# Altium PCB Mirny.PcbDoc (part 1 of 8) (continued)
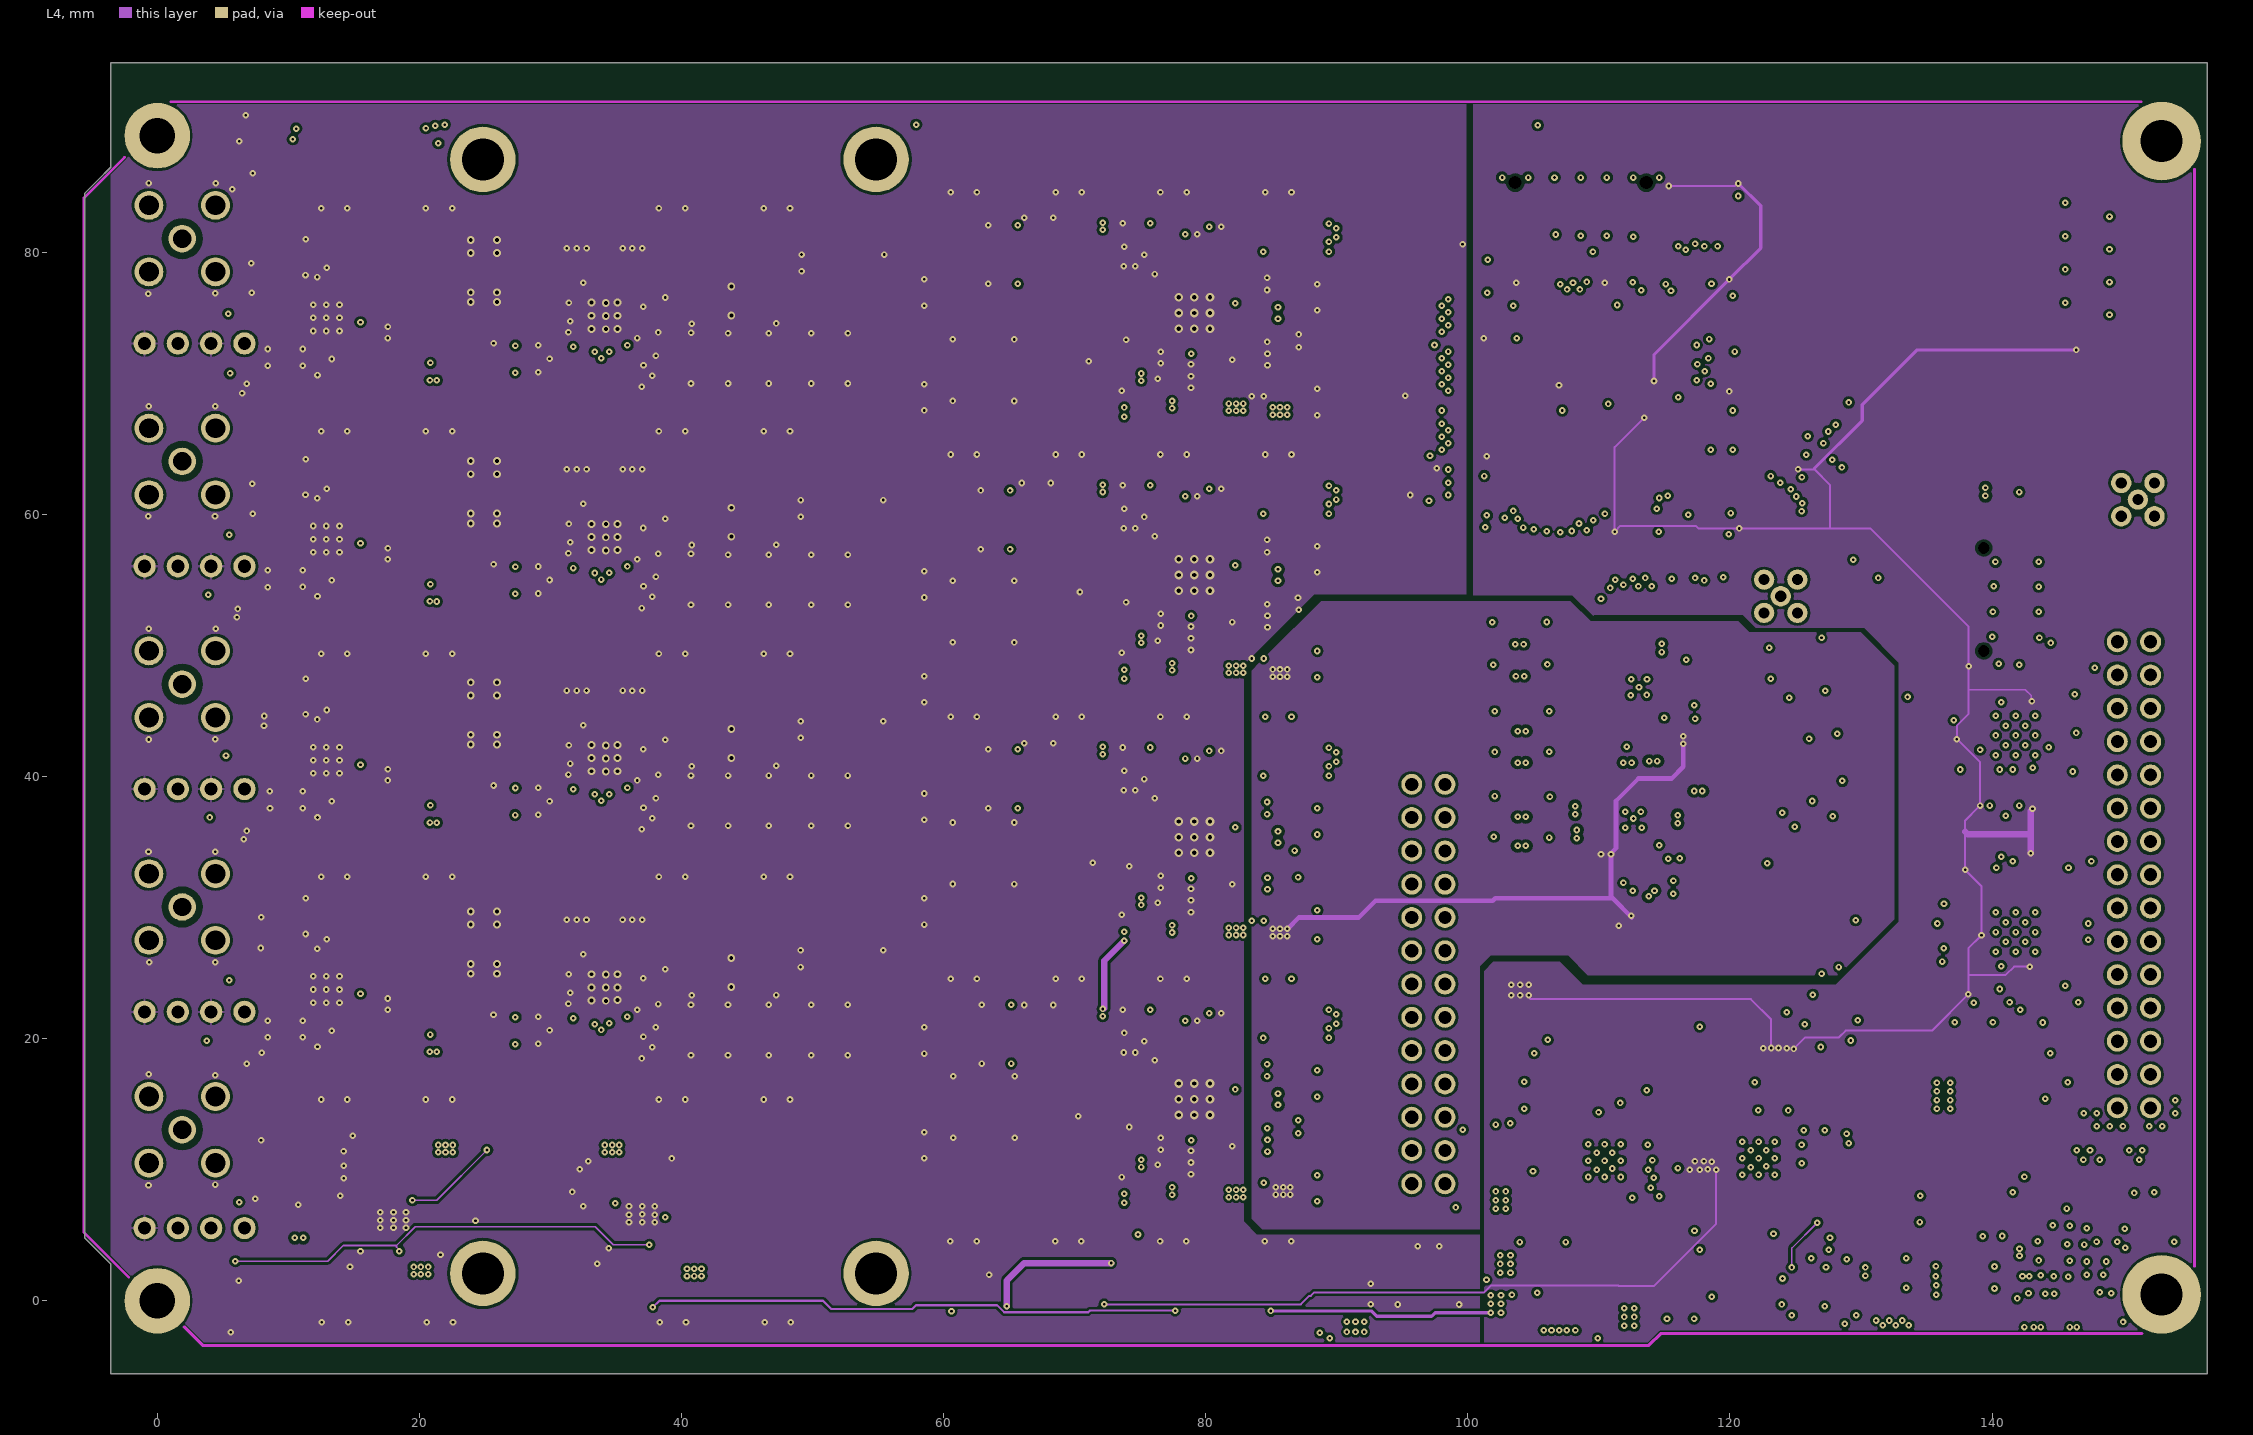
[diagram p4: L4]
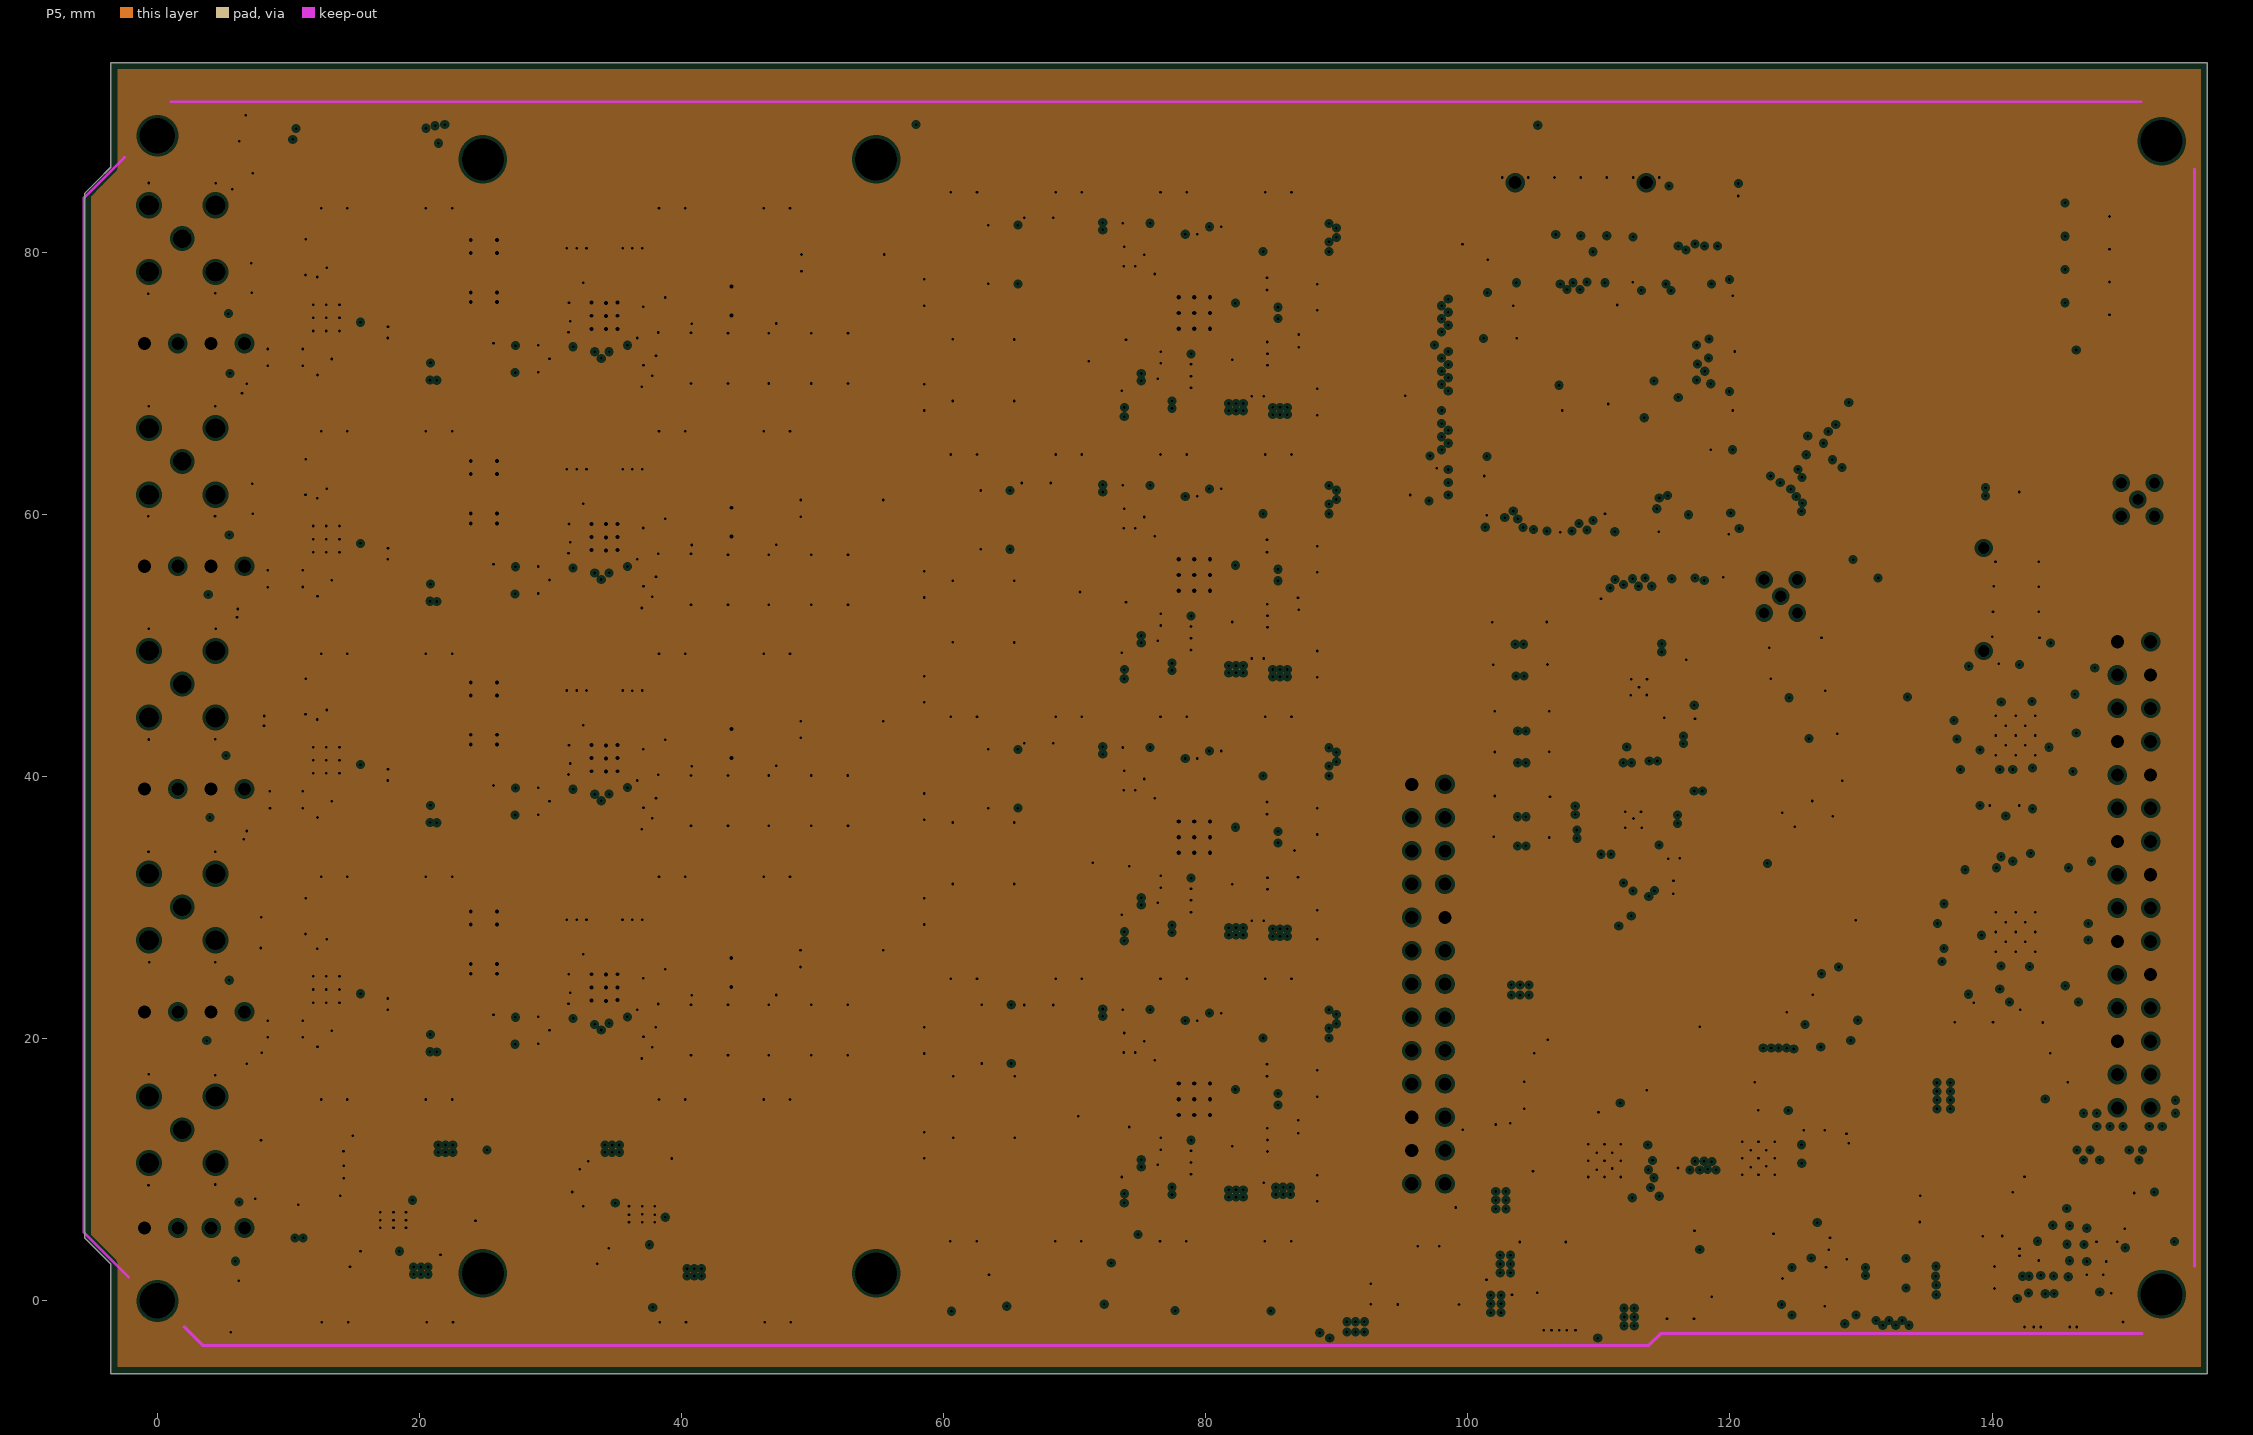
[diagram p5: P5, clearances drawn from the general rule]

## Layer stack, top to bottom
Top Solder: solder mask 0.034, Solder Resist, Dk 3.5
L1: signal copper 0.05
Dielectric1: prepreg 0.18, PP-021, Dk 4.7
P2: plane copper 0.035, net GND
Dielectric 2: core 0.18, Core-021, Dk 4.1
L3: signal copper 0.035
Dielectric 4: prepreg 0.6, FR4, Dk 4.1
L4: signal copper 0.035
Dielectric 1: core 0.18, Core-021, Dk 4.1
P5: plane copper 0.035, net GND
Dielectric 3: prepreg 0.18, PP-021, Dk 4.7
L6: signal copper 0.05
Bottom Solder: solder mask 0.034, Solder Resist, Dk 3.5

## Board outline
-5.556,4.808 -5.556,77.513 -5.556,84.488 -4.556,85.488 -3.556,86.488 -3.556,94.488 156.439,94.488 156.439,-5.55 -3.556,-5.55 -3.556,2.808

## Design rules (kind name [scope] priority, off if disabled: settings)
AcuteAngle AcuteAngle_GND [InNet('GND')] p1: minimum=5.00000000000000E+0001 checktracksonly=FALSE
AcuteAngle [All] p2: minimum=5.00000000000000E+0001 checktracksonly=FALSE
Clearance Clearance_balance [InNamedPolygon('balancing')            or InNamedPolygon('balancing_top')] p1: gap=0.3 ignorepadtopadclearanceinfootprint=FALSE
Clearance Clearance_1 [InPolygon vs (InDifferentialPairClass('All Differential Pairs'))] p2: gap=0.254 ignorepadtopadclearanceinfootprint=FALSE except(0: Arc-Hole Track-Hole SMDPad-Hole THPad-Hole Via-Hole Fill-Hole Poly-Hole Region-Hole Text-Hole; 0.508: Track-Poly)
Clearance Clearance_KeepOut [OnLayer('Keep-Out Layer') vs NOT ( InComponent('J8') OR InComponent('J11') OR InComponent('J2') OR InComponent('J3') OR InComponent('J4') OR InComponent('J5') OR InComponent('J6') )] p3: gap=0.1 ignorepadtopadclearanceinfootprint=FALSE except(0: Arc-Hole Track-Hole SMDPad-Hole THPad-Hole Via-Hole Fill-Hole Poly-Hole Region-Hole Text-Hole)
Clearance Clearance_50_Ohms_GND_VIA [InNetClass('50_Ohms') vs (IsVia AND InNet('GND')) and not(IsPad)] p4: gap=0.2 ignorepadtopadclearanceinfootprint=FALSE except(0: Arc-Hole Track-Hole SMDPad-Hole THPad-Hole Via-Hole Fill-Hole Poly-Hole Region-Hole Text-Hole)
Clearance Clearance_50_Ohms_GND_Plane [InNetClass('50_Ohms') vs InPolygon] p5: gap=0.5 ignorepadtopadclearanceinfootprint=FALSE except(0: Arc-Hole Track-Hole SMDPad-Hole THPad-Hole Via-Hole Fill-Hole Poly-Hole Region-Hole Text-Hole)
Clearance Clearance_50_Ohms_GND_PADS [InNetClass('50_Ohms') vs InNet('GND')] p6: gap=0.2 ignorepadtopadclearanceinfootprint=FALSE except(0: Arc-Hole Track-Hole SMDPad-Hole THPad-Hole Via-Hole Fill-Hole Poly-Hole Region-Hole Text-Hole)
Clearance Clearance_50_Ohms [InNetClass('50_Ohms')] p7: gap=0.2 ignorepadtopadclearanceinfootprint=FALSE except(0: Arc-Hole Track-Hole SMDPad-Hole THPad-Hole Via-Hole Fill-Hole Poly-Hole Region-Hole Text-Hole)
Clearance Clearance_DiffPair_1 [(InDifferentialPairClass('All Differential Pairs')) vs (InDifferentialPairClass('All Differential Pairs'))] p8 off: gap=0.3 ignorepadtopadclearanceinfootprint=FALSE except(0: Arc-Hole Track-Hole SMDPad-Hole THPad-Hole Via-Hole Fill-Hole Poly-Hole Region-Hole Text-Hole)
Clearance Clearance_Fiducials [InComponentClass('Fiducials')] p9: gap=0 ignorepadtopadclearanceinfootprint=TRUE
Clearance Clearance_SMA [InComponentClass('SMAs') or InComponentClass('FP_LEDs')] p10: gap=0 ignorepadtopadclearanceinfootprint=TRUE
Clearance [Not (OnLayer('Keep-Out Layer'))] p11: gap=0.127 ignorepadtopadclearanceinfootprint=FALSE except(0: Arc-Hole Track-Hole SMDPad-Hole THPad-Hole Via-Hole Fill-Hole Poly-Hole Region-Hole Text-Hole; 0.203: Arc-Poly Track-Poly SMDPad-Poly THPad-Poly Via-Poly Fill-Poly Poly-Poly)
Clearance Clearance_abs [All] p12: gap=0.1 ignorepadtopadclearanceinfootprint=FALSE except(0: Arc-Hole Track-Hole SMDPad-Hole THPad-Hole Via-Hole Fill-Hole Poly-Hole Region-Hole Text-Hole)
ComponentClearance ComponentClearance_Osc [InComponent('OSC1') vs InComponent('OSC2')] p1: gap=0 collisioncheckmode=3 verticalgap=0 showdistances=FALSE
ComponentClearance ComponentClearance_Resistors [InComponent('R157') OR  InComponent('R158') OR InComponent('R151') OR  InComponent('R152') OR InComponent('R150') OR  InComponent('R140') OR InComponent('R145') OR  InComponent('R146') OR InComponent('R148') OR  InComponent('R149') OR  InComponent('R151')  OR  InComponent('R152') OR  InComponent('R161') OR  InComponent('R162') OR  InComponent('R163') OR  InComponent('R164') OR  InComponent('R165') OR  InComponent('R166') OR  InComponent('R167') OR  InComponent('R168') OR  InComponent('R138') OR  InComponent('R117') OR  InComponent('R63') OR  InComponent('R5') OR  InComponent('R160')    OR  InComponent('R159') vs InComponent('R157') OR  InComponent('R158') OR InComponent('R151') OR  InComponent('R152') OR InComponent('R150') OR  InComponent('R140') OR InComponent('R145') OR  InComponent('R146') OR InComponent('R148') OR  InComponent('R149') OR  InComponent('R151')  OR  InComponent('R152') OR  InComponent('R161') OR  InComponent('R162') OR  InComponent('R163') OR  InComponent('R164') OR  InComponent('R165') OR  InComponent('R166') OR  InComponent('R167') OR  InComponent('R168') OR  InComponent('R138') OR  InComponent('R117') OR  InComponent('R63') OR  InComponent('R5') OR  InComponent('R160') OR  InComponent('R159')] p2: gap=0 collisioncheckmode=3 verticalgap=0 showdistances=FALSE
ComponentClearance ComponentClearance_3D [InComponent('WASHER*')] p3: gap=0 collisioncheckmode=3 verticalgap=0 showdistances=FALSE
ComponentClearance Clearance_TestPoint [(HasFootprint('TPS127'))] p4: gap=0 collisioncheckmode=3 verticalgap=0 showdistances=FALSE
ComponentClearance Clearance_FrontPanel [Identifier = 'Mirny-A01.v1.1'] p5: gap=0 collisioncheckmode=3 verticalgap=0 showdistances=FALSE
ComponentClearance Clearance_ERNI [(HasFootprint('ERMET ZD 3-10 CONNECTOR')) vs (HasFootprint('ERMET ZD 3-10 CONNECTOR'))] p6: gap=0 collisioncheckmode=3 verticalgap=0.254 showdistances=FALSE
ComponentClearance Clearance_Radiall_Placement [HasFootprint('Coaxipack2') vs HasFootprint('Coaxipack2')] p7: gap=0 collisioncheckmode=3 verticalgap=0.254 showdistances=FALSE
ComponentClearance [All] p8: gap=0.254 collisioncheckmode=3 verticalgap=0.254 showdistances=FALSE
DiffPairsRouting CLK_DiffPairsRouting [(InDifferentialPairClass('All Differential Pairs'))] p1: maxlimit=0.152 minlimit=0.152 mostfreqgap=0.152 toplayer_mingap=0.152 toplayer_minwidth=0.152 toplayer_maxwidth=0.152 toplayer_prefwidth=0.152 bottomlayer_mingap=0.152 bottomlayer_minwidth=0.152 bottomlayer_maxwidth=0.152 bottomlayer_prefwidth=0.152 impedanceprofiledriven=TRUE impedanceprofileid={C5AA11C3-B91C-49ED-8D09-5B71503F6C61} impedanceprofilevalue=100.000000 maxuncoupledlength=10
FabricationTestPointUsage TestPointUsage [All] p1: valid=0 allowmultiple=FALSE
FabricationTestpoint Testpoint [(IsPad And (OnTopLayer Or OnBottomLayer))] p1: side=3 testpointundercomponent=TRUE minsize=1.016 maxsize=2.54 preferedsize=1.524 minholesize=0 maxholesize=1.016 preferedholesize=0.813 testpointgrid=0.025 allowsidetop=TRUE allowsidebottom=TRUE usegrid=TRUE gridtolerance=0
Height BottomHeight [All] p1: minheight=0 maxheight=20 prefheight=10
Height TopHeight [OnLayer('Top Layer (LO)')] p2: minheight=0 maxheight=2.5 prefheight=1
HoleSize [All] p1: absolutevalues=TRUE maxlimit=5 minlimit=0.2 maxpercent=80.000 minpercent=20.000
HoleToHoleClearance [All] p1: gap=0.2 allowstackedmicrovias=TRUE
MatchedLengths "CLK IC13" [InDifferentialPairClass('CLK_IC13')] p1: tolerance=1.27 checknetsindiffpair=FALSE checkdiffpairvsdiffpair=TRUE checkxsignals=TRUE checkothers=TRUE
MinimumAnnularRing MinimumAnnularRing_Blind [(InNetClass('50_Ohms') OR InDifferentialPairClass('All Differential Pairs'))] p1: minimumring=0.1
MinimumAnnularRing [All] p2: minimumring=0.15
MinimumSolderMaskSliver [All] p1: minsoldermaskwidth=0.075
PlaneClearance [All] p1: clearance=0.25
PlaneConnect PlaneConnect_pad [InPadClass('All Pads')] p1: planeconnectstyle=Relief reliefexpansion=0.508 reliefentries=4 reliefconductorwidth=0.254 reliefairgap=0.254
PlaneConnect [All] p2: planeconnectstyle=Direct reliefexpansion=0.508 reliefentries=4 reliefconductorwidth=0.254 reliefairgap=0.254
PolygonConnect PolygonConnect_pad [IsPad] p1: connectstyle=Relief reliefconductorwidth=0.2 reliefentries=4 polygonreliefangle="90 Angle" airgapwidth=0.152
PolygonConnect [All] p2: connectstyle=Direct reliefconductorwidth=0.254 reliefentries=4 polygonreliefangle="90 Angle" airgapwidth=0.254
RoomDefinition U_Supply_MIrny [InComponentClass('U_Supply_MIrny')] p1 off: confinementstyle=ConfineIn formatcopy=TRUE lockcomponents=FALSE outline -33.604,-19.647 17.196,-19.647 17.196,5.753 -33.604,5.753
RoomDefinition U_CTRL_LOGIC [InComponentClass('U_CTRL_LOGIC')] p2 off: confinementstyle=ConfineIn formatcopy=TRUE lockcomponents=FALSE outline 156.706,93.002 90.221,93.002 90.221,48.11 156.706,48.11
RoomDefinition U_VCO_OUT_channel3 [InComponentClass('U_VCO_OUT_channel3')] p3 off: confinementstyle=ConfineIn formatcopy=TRUE lockcomponents=FALSE outline 55.868,30.552 7.354,30.552 7.354,16.388 55.868,16.388
RoomDefinition U_VCO_OUT_channel2 [InComponentClass('U_VCO_OUT_channel2')] p4 off: confinementstyle=ConfineIn formatcopy=TRUE lockcomponents=FALSE outline 56.146,48.845 7.481,48.845 7.481,34.566 56.146,34.566
RoomDefinition U_VCO_OUT_channel1 [InComponentClass('U_VCO_OUT_channel1')] p5 off: confinementstyle=ConfineIn formatcopy=TRUE lockcomponents=FALSE outline 56.566,66.65 6.782,66.65 6.782,51.841 56.566,51.841
RoomDefinition U_VCO_OUT_channel0 [InComponentClass('U_VCO_OUT_channel0')] p6 off: confinementstyle=ConfineIn formatcopy=TRUE lockcomponents=FALSE outline 59.614,84.811 6.084,84.811 6.084,68.228 59.614,68.228
RoomDefinition U_VCO_channel3 [InComponentClass('U_VCO_channel3')] p7 off: confinementstyle=ConfineIn formatcopy=TRUE lockcomponents=FALSE outline 87.013,6.331 60.44,6.331 60.44,22.586 87.013,22.586
RoomDefinition U_VCO_channel2 [InComponentClass('U_VCO_channel2')] p8 off: confinementstyle=ConfineIn formatcopy=TRUE lockcomponents=FALSE outline 60.543,26.148 86.776,26.148 86.776,42.847 60.543,42.847
RoomDefinition U_VCO_channel1 [InComponentClass('U_VCO_channel1')] p9 off: confinementstyle=ConfineIn formatcopy=TRUE lockcomponents=FALSE outline 60.695,46.268 86.776,46.268 86.776,62.527 60.695,62.527
RoomDefinition U_VCO_channel0 [InComponentClass('U_VCO_channel0')] p10 off: confinementstyle=ConfineIn formatcopy=TRUE lockcomponents=FALSE outline 60.44,66.268 86.381,66.268 86.381,83.096 60.44,83.096
RoomDefinition U_LVDS_IFCA [InComponentClass('U_LVDS_IFCA')] p11 off: confinementstyle=ConfineIn formatcopy=TRUE lockcomponents=FALSE outline 131.176,4.293 155.444,4.293 155.444,56.534 131.176,56.534
RoomDefinition U_CLK_INPUT [InComponentClass('U_CLK_INPUT')] p12 off: confinementstyle=ConfineIn formatcopy=TRUE lockcomponents=FALSE outline 96.068,27.079 128.594,27.079 128.594,58.584 96.068,58.584
RoomDefinition U_B2B_Connectors [InComponentClass('U_B2B_Connectors')] p13 off: confinementstyle=ConfineIn formatcopy=TRUE lockcomponents=FALSE outline 92.489,3.549 101.201,3.549 101.201,43.853 92.489,43.853
RoomDefinition Mirny [InComponentClass('Mirny')] p14 off: confinementstyle=ConfineIn formatcopy=TRUE lockcomponents=FALSE outline 156.325,-5.232 149.251,-5.232 149.251,3.912 156.325,3.912
RoutingVias [All] p1: holewidth=0.2 width=0.5 viastyle="Through Hole" minholewidth=0.2 minwidth=0.5 maxholewidth=0.5 maxwidth=1
SMDNeckDown [All] p1: percent=100.000
SMDToCorner [All] p1: distance=78740
SMDToPlane [All] p1: distance=0
SilkToSilkClearance [All] p1: silktosilkclearance=0
SilkToSolderMaskClearance SilkscreenOverComponentPads [IsPad] p1: minsilkscreentomaskgap=0.05 clearancetoexposedcopper=TRUE
SolderMaskExpansion SolderMaskExpansion_GND_VIA [IsVia] p1: expansion=-0.1 istentingtop=TRUE
SolderMaskExpansion [All] p2: expansion=0.05 istentingtop=FALSE
Width 50_Ohm_Lines [InNetClass('50_Ohms')] p1: maxlimit=1.313 minlimit=0.17 preferedwidth=1.122 toplayer_minwidth=0.265 toplayer_maxwidth=0.265 toplayer_prefwidth=0.265 bottomlayer_minwidth=0.265 bottomlayer_maxwidth=0.265 bottomlayer_prefwidth=0.265 impedanceprofiledriven=TRUE impedanceprofileid={03AB9ABB-85C4-48E2-9EB1-A1AAAEFC589C} impedanceprofilevalue=50.000000 minimp=45.000000 maximp=55.000000 favimp=50.000000
18 further rules are at their usual default settings.

## Classes and differential pairs
net class ATT_S_OUT_[3..0]: ATT_S_OUT_0 ATT_S_OUT_1 ATT_S_OUT_2 ATT_S_OUT_3
net class ATT_S_IN_[3..0]: ATT_S_IN_0 ATT_S_IN_1 ATT_S_IN_2 ATT_S_IN_3
net class ATT_RSTN_[3..0]: ATT_RSTN_0 ATT_RSTN_1 ATT_RSTN_2 ATT_RSTN_3
net class ATT_LE_[3..0]: ATT_LE_0 ATT_LE_1 ATT_LE_2 ATT_LE_3
net class ATT_CLK_[3..0]: ATT_CLK_0 ATT_CLK_1 ATT_CLK_2 ATT_CLK_3
net class MEZZ_IO[15..0]: MEZZ_IO0 MEZZ_IO1 MEZZ_IO2 MEZZ_IO3 MEZZ_IO4 MEZZ_IO5 MEZZ_IO6 MEZZ_IO7 MEZZ_IO8 MEZZ_IO9 MEZZ_IO10 MEZZ_IO11 MEZZ_IO12 MEZZ_IO13 MEZZ_IO14 MEZZ_IO15
net class VCO_CE[3..0]: VCO_CE0 VCO_CE1 VCO_CE2 VCO_CE3
channel class VCO_OUT_channel: U_VCO_OUT_channel0 U_VCO_OUT_channel1 U_VCO_OUT_channel2 U_VCO_OUT_channel3
channel class VCO_channel: U_VCO_channel0 U_VCO_channel1 U_VCO_channel2 U_VCO_channel3
net class VCO_SDI[3..0]: VCO_SDI0 VCO_SDI1 VCO_SDI2 VCO_SDI3
net class VCO_SCKI[3..0]: VCO_SCKI0 VCO_SCKI1 VCO_SCKI2 VCO_SCKI3
net class VCO_MUXOUT[3..0]: VCO_MUXOUT0 VCO_MUXOUT1 VCO_MUXOUT2 VCO_MUXOUT3
net class VCO_LE[3..0]: VCO_LE0 VCO_LE1 VCO_LE2 VCO_LE3
net class VCO_CLK: VCO_CLK0_N VCO_CLK0_P VCO_CLK1_N VCO_CLK1_P VCO_CLK2_N VCO_CLK2_P VCO_CLK3_N VCO_CLK3_P
net class R\E\_DE[7..0]: R\E\_DE0 R\E\_DE1 R\E\_DE2 R\E\_DE3 R\E\_DE4 R\E\_DE5 R\E\_DE6 R\E\_DE7
net class LED[7..0]: LED0 LED1 LED2 LED3 LED4 LED5 LED6 LED7
net class 50_Ohms: CK_OSC NetC47A_1 NetC47A_2 NetC47B_1 NetC47B_2 NetC47C_1 NetC47C_2 NetC47D_1 NetC47D_2 NetC49A_1 NetC49A_2 NetC49B_1 NetC49B_2 NetC49C_1 NetC49C_2 NetC49D_1 NetC49D_2 NetC61A_1 NetC61A_2 NetC61B_1 NetC61B_2 NetC61C_1 NetC61C_2 NetC61D_1 NetC61D_2 NetC62A_1 NetC62B_1 NetC62C_1 NetC62D_1 NetC65A_1 NetC65A_2 NetC65B_1 NetC65B_2 NetC65C_1 NetC65C_2 NetC65D_1 NetC65D_2 NetC72A_1 NetC72A_2 NetC72B_1 NetC72B_2 NetC72C_1 NetC72C_2 NetC72D_1 NetC72D_2 NetC190_1 NetC190_2 NetC196_1 NetC196_2 NetFL1A_1 NetFL1A_3 NetFL1B_1 NetFL1B_3 NetFL1C_1 NetFL1C_3 NetFL1D_1 NetFL1D_3 NetR19A_2 NetR19B_2 NetR19C_2 NetR19D_2 NetR20A_2 NetR20B_2 NetR20C_2 NetR20D_2 NetR22A_2 NetR22B_2 NetR22C_2 NetR22D_2 NetR31A_2 NetR31B_2 NetR31C_2 NetR31D_2 NetR47A_1 NetR47B_1 NetR47C_1 NetR47D_1 RF_OUT0 RF_OUT1 RF_OUT2 RF_OUT3 VCO_OUTBA_P VCO_OUTBB_P VCO_OUTBC_P VCO_OUTBD_P VCO_OUTMA VCO_OUTMB VCO_OUTMC VCO_OUTMD
component class U_VCO_OUT_channel3: C42D C43D C45D C47D C49D C50D C51D C52D C53D C54D C55D C56D C57D C58D C59D C60D C61D C62D C65D C66D C68D C69D C71D C72D FL1D IC2D IC3D IC4D L7D L8D L9D R19D R20D R22D R31D R32D R34D R36D R37D R38D R39D R40D R41D R42D R45D R46D R47D R48D R49D R51D R52D R54D R56D R57D R58D R59D TR1D
component class U_VCO_OUT_channel2: C42C C43C C45C C47C C49C C50C C51C C52C C53C C54C C55C C56C C57C C58C C59C C60C C61C C62C C65C C66C C68C C69C C71C C72C FL1C IC2C IC3C IC4C L7C L8C L9C R19C R20C R22C R31C R32C R34C R36C R37C R38C R39C R40C R41C R42C R45C R46C R47C R48C R49C R51C R52C R54C R56C R57C R58C R59C TR1C
component class U_VCO_OUT_channel1: C42B C43B C45B C47B C49B C50B C51B C52B C53B C54B C55B C56B C57B C58B C59B C60B C61B C62B C65B C66B C68B C69B C71B C72B FL1B IC2B IC3B IC4B L7B L8B L9B R19B R20B R22B R31B R32B R34B R36B R37B R38B R39B R40B R41B R42B R45B R46B R47B R48B R49B R51B R52B R54B R56B R57B R58B R59B TR1B
component class U_VCO_OUT_channel0: C42A C43A C45A C47A C49A C50A C51A C52A C53A C54A C55A C56A C57A C58A C59A C60A C61A C62A C65A C66A C68A C69A C71A C72A FL1A IC2A IC3A IC4A L7A L8A L9A R19A R20A R22A R31A R32A R34A R36A R37A R38A R39A R40A R41A R42A R45A R46A R47A R48A R49A R51A R52A R54A R56A R57A R58A R59A TR1A
component class U_VCO_channel3: C1D C12D C13D C14D C15D C16D C17D C18D C19D C20D C21D C22D C23D C24D C26D C27D C28D C29D C30D C36D C37D C38D C39D C40D C44D C46D C83D C84D C85D C86D C128D C129D C130D C131D C138D C139D C140D C141D C142D C143D IC9D L6D L11D L16D L17D L18D L20D R4D R6D R8D R12D R14D R15D R17D R18D R68D R103D
component class U_VCO_channel2: C1C C12C C13C C14C C15C C16C C17C C18C C19C C20C C21C C22C C23C C24C C26C C27C C28C C29C C30C C36C C37C C38C C39C C40C C44C C46C C83C C84C C85C C86C C128C C129C C130C C131C C138C C139C C140C C141C C142C C143C IC9C L6C L11C L16C L17C L18C L20C R4C R6C R8C R12C R14C R15C R17C R18C R68C R103C
component class U_VCO_channel1: C1B C12B C13B C14B C15B C16B C17B C18B C19B C20B C21B C22B C23B C24B C26B C27B C28B C29B C30B C36B C37B C38B C39B C40B C44B C46B C83B C84B C85B C86B C128B C129B C130B C131B C138B C139B C140B C141B C142B C143B IC9B L6B L11B L16B L17B L18B L20B R4B R6B R8B R12B R14B R15B R17B R18B R68B R103B
component class U_VCO_channel0: C1A C12A C13A C14A C15A C16A C17A C18A C19A C20A C21A C22A C23A C24A C26A C27A C28A C29A C30A C36A C37A C38A C39A C40A C44A C46A C83A C84A C85A C86A C128A C129A C130A C131A C138A C139A C140A C141A C142A C143A IC9A L6A L11A L16A L17A L18A L20A R4A R6A R8A R12A R14A R15A R17A R18A R68A R103A
component class U_Supply_MIrny: C48 C63 C64 C67 C70 C73 C74 C75 C77 C78 C79 C117 C119 C120 C125 C126 C127 C146 C147 C148 C149 C150 C151 C152 C153 C154 C155 C156 C157 C158 C160 C165 C166 C183 IC7 IC11 IC12 IC15 IC16 IC18 IC19 L2 L4 L5 L15 LD3 LD4 LD7 LD9 LD10 LD11 LD12 R23 R33 R53 R55 R80 R82 R104 R105 R106 R107 R108 R109 R110 R114 R115 R116 R118 R119 R120 R121 R122 R123 R124 R125 R126 R127 R128 R131 R132 R133 R134 R135 R136 R139 R143 R144 TP5 TP6 TP7 TP9 TP12 TP13 TP14 TP16 TP17 TP18